# KiCad board keyboard - Hackpadv2.kicad_pcb (continued)
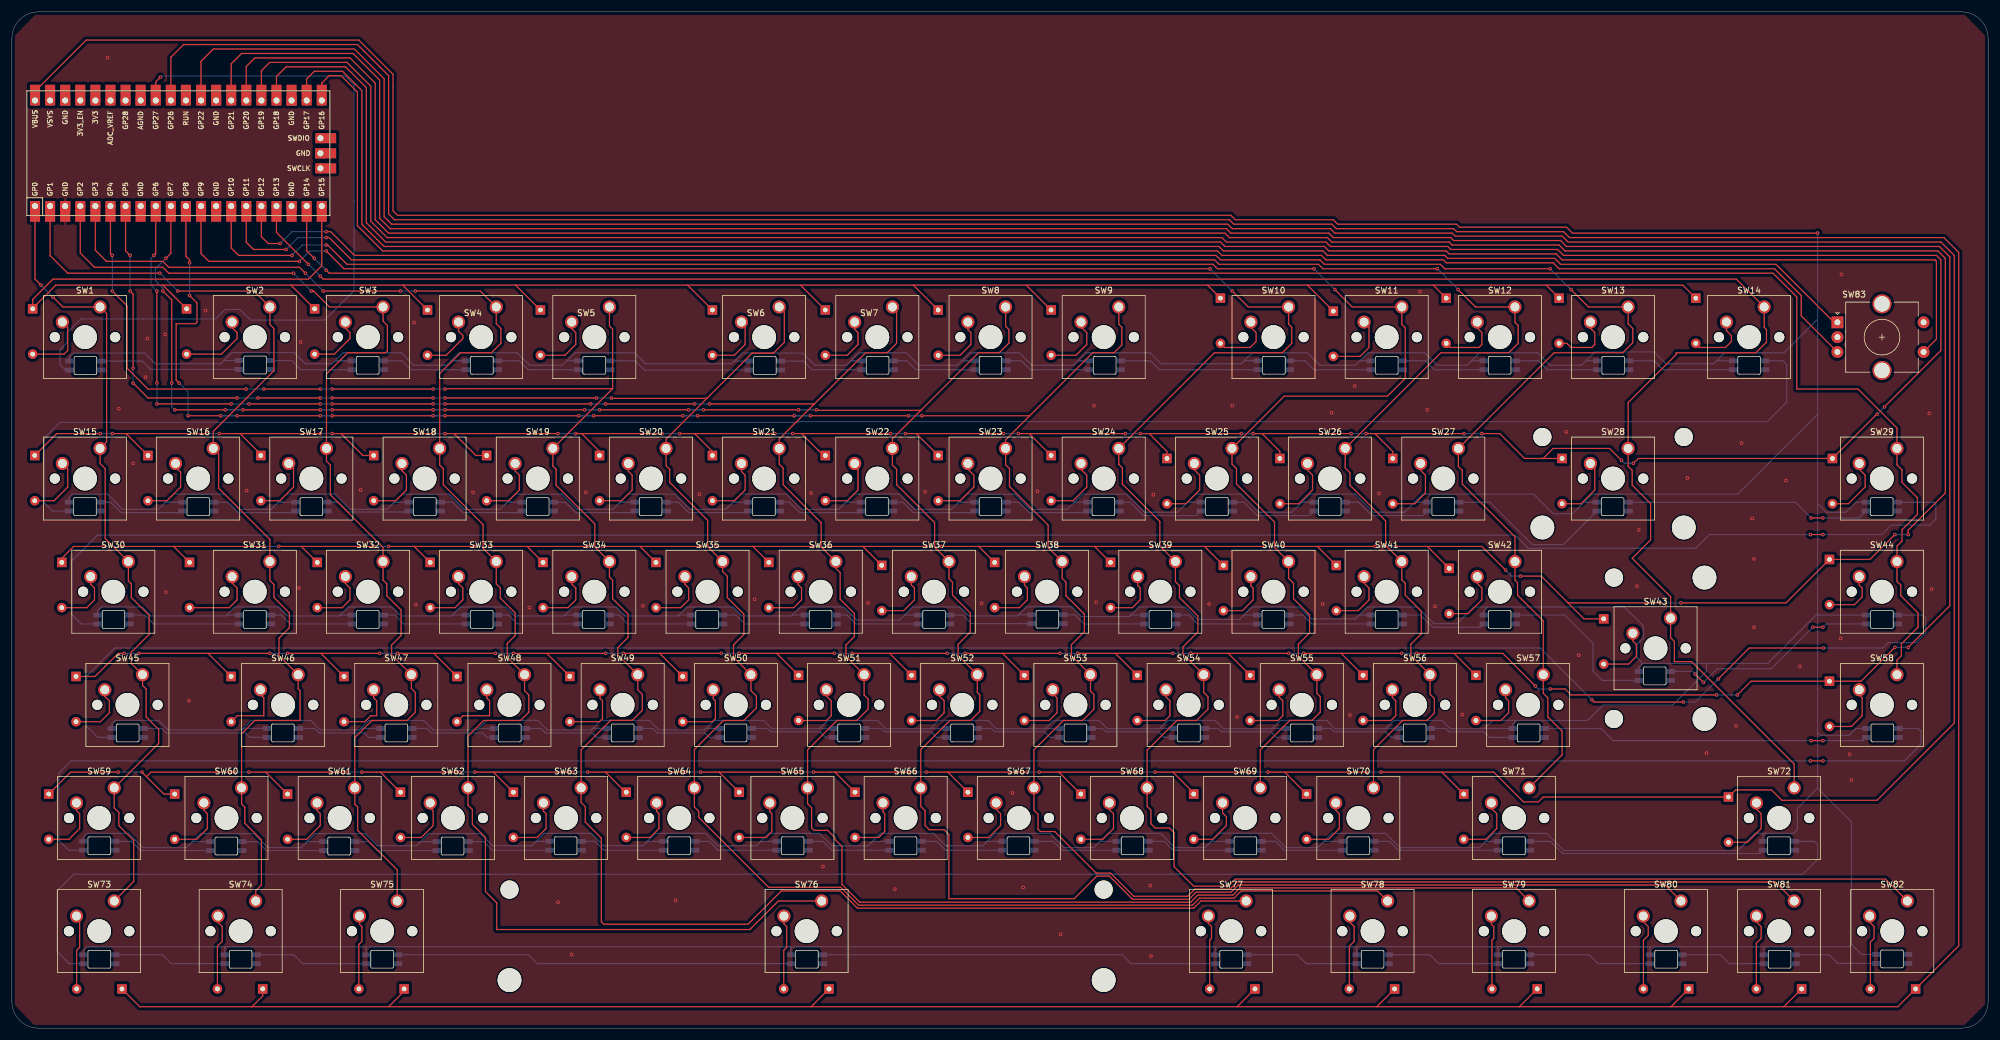
[diagram p0: board, top side]
## Routing (per net, layer and track width the routed paths; a pad name or vN(x,y) marks a point on that pad's centre or on a via; arc(x,y) is an arc through that point) (continued)
ToLEDDataRow1: length 321.6
  Bottom w0.2: D97.4 6.85,87.05 5.5,88.4 5.5,99.4 8.1,102 132.2,102 132.3,102.1 295.4,102.1 298.7,105.4 298.7,111.7 298.05,112.35 D96.2
ToLEDDataRow2: length 341.6
  Top w0.2: v1(304.8,83.1) v1(302.7,83.1)
  Bottom w0.2: v1(304.8,83.1) 314.7,83.1 316.3,84.7 322.8,84.7 323.8,85.7 323.8,88.3 323.55,88.55 D111.2 ; 14.43,68.05 11.65,68.05 10.1,69.6 10.1,78.7 14.4,83 253,83 255.2,80.8 283.4,80.8 285.7,83.1 v1(302.7,83.1)
ToLEDDataRow3: length 341.1
  Top w0.2: v1(281.3,54.9) 266.3,54.9 v1(265.9,55.3) ; v1(287.2,58.8) 292.4,64 v1(304.9,64)
  Bottom w0.2: v1(281.3,54.9) 283.3,54.9 v1(287.2,58.8) ; 16.83,48.95 14.45,48.95 12.5,50.9 12.5,59.2 17.3,64 257.2,64 v1(265.9,55.3) ; v1(304.9,64) 314.9,64 315.8,64.9 320.5,64.9 322.1,66.5 322.1,69.1 321.65,69.55 D126.2
ToLEDDataRow4: length 337.7
  Top w0.2: v1(304.8,45) v1(302.7,45)
  Bottom w0.2: v1(302.7,45) 10,45 7.9,42.9 7.9,31.6 9.55,29.95 D141.4 ; v1(304.8,45) 318.5,45 321.3,47.8 321.3,50 320.85,50.45 D140.2
ToLEDDataRow5: length 320.5
  Bottom w0.2: D154.2 303.35,31.45 303.9,30.9 303.9,28.4 301.4,25.9 10.4,25.9 7.6,23.1 7.6,12.9 9.65,10.85 D155.4
Net-(D1-A): length 11.3
  Top w0.2: D1.2 8.78,113.48 9.4,114.1 9.4,117.97 SW1.2
Net-(D2-A): length 12.7
  Top w0.2: SW2.2 37.07,117.93 37.9,117.1 37.9,116.1 35.28,113.48 D2.2
Net-(D3-A): length 10.1
  Top w0.2: D3.2 54.28,113.48 56.9,116.1 56.9,117.1 56.12,117.88 SW3.2
Net-(D4-A): length 10.2
  Top w0.2: D4.2 73.09,113.29 75.9,116.1 75.9,116.6 75.17,117.33 SW4.2
Net-(D5-A): length 10.8
  Top w0.2: D5.2 93.09,113.29 94.9,115.1 94.9,117.1 94.22,117.78 SW5.2
Net-(D6-A): length 10.3
  Top w0.2: SW6.2 123.4,118.27 123.4,115.1 121.59,113.29 D6.2
Net-(D7-A): length 10.3
  Top w0.2: SW7.2 141.85,117.65 142.4,117.1 142.4,115.1 140.59,113.29 D7.2
Net-(D8-A): length 10.2
  Top w0.2: D8.2 159.59,113.29 161.4,115.1 161.4,117.1 160.9,117.6 SW8.2
Net-(D9-A): length 10.9
  Top w0.2: D9.2 179.09,113.29 180.9,115.1 180.9,117.1 179.95,118.05 SW9.2
Net-(D10-A): length 10.3
  Top w0.2: D10.2 204.09,114.6 208.4,114.6 209.4,115.6 209.4,117.1 208.52,117.98 SW10.2
Net-(D11-A): length 11.2
  Top w0.2: SW11.2 228.4,118.05 228.4,114.6 226.9,113.1 D11.2
Net-(D12-A): length 10.6
  Top w0.2: D12.2 242.09,114.6 246.9,114.6 247.4,115.1 247.4,117.1 246.62,117.88 SW12.2
Net-(D13-A): length 10.6
  Top w0.2: D13.2 261.71,115.29 262.4,114.6 265.9,114.6 266.4,115.1 266.4,117.1 265.67,117.83 SW13.2
Net-(D14-A): length 10.3
  Top w0.2: SW14.2 288.56,117.44 289.4,116.6 289.4,115.6 288.4,114.6 284.09,114.6 D14.2
Net-(D15-A): length 10.8
  Top w0.2: SW15.2 9.4,94.16 9.4,91.1 7.09,88.79 D15.2
Net-(D16-A): length 10.8
  Top w0.2: D16.2 26.09,88.79 28.4,91.1 28.4,93.6 27.55,94.45 SW16.2
Net-(D17-A): length 10.8
  Top w0.2: D17.2 45.09,88.79 47.4,91.1 47.4,94.26 SW17.2
Net-(D18-A): length 11
  Top w0.2: SW18.2 65.65,93.85 66.4,93.1 66.4,90.6 64.59,88.79 D18.2
Net-(D19-A): length 11
  Top w0.2: D19.2 83.59,88.79 85.4,90.6 85.4,93.1 84.7,93.8 SW19.2
Net-(D20-A): length 11
  Top w0.2: D20.2 102.59,88.79 104.4,90.6 104.4,93.1 103.75,93.75 SW20.2
Net-(D21-A): length 11
  Top w0.2: SW21.2 122.8,93.7 123.4,93.1 123.4,90.6 121.59,88.79 D21.2
Net-(D22-A): length 10.9
  Top w0.2: D22.2 140.59,88.79 142.4,90.6 142.4,94.51 SW22.2
Net-(D23-A): length 11.3
  Top w0.2: SW23.2 160.9,94.1 161.9,93.1 161.9,91.1 159.59,88.79 D23.2
Net-(D24-A): length 11.3
  Top w0.2: SW24.2 179.95,94.05 180.9,93.1 180.9,91.1 178.59,88.79 D24.2
Net-(D25-A): length 11.3
  Top w0.2: SW25.2 199,94 199.9,93.1 199.9,90.6 197.59,88.29 D25.2
Net-(D26-A): length 11.3
  Top w0.2: SW26.2 218.05,93.95 218.9,93.1 218.9,90.6 216.59,88.29 D26.2
Net-(D27-A): length 11.5
  Top w0.2: D27.2 236.09,88.29 237.9,90.1 237.9,93.1 237.1,93.9 SW27.2
Net-(D28-A): length 11.2
  Top w0.2: SW28.2 266.4,94.34 266.4,90.6 264.09,88.29 D28.2
Net-(D29-A): length 11
  Top w0.2: D29.2 309.09,88.29 311.9,91.1 311.9,93.1 310.91,94.09 SW29.2
Net-(D30-A): length 10.2
  Top w0.2: D30.2 12.59,70.79 13.9,72.1 13.9,74.1 13.26,74.74 SW30.2
Net-(D31-A): length 12.8
  Top w0.2: D31.2 36.59,70.79 37.9,72.1 37.9,74.1 37.07,74.93 SW31.2
Net-(D32-A): length 10.3
  Top w0.2: SW32.2 56.12,74.88 56.9,74.1 56.9,72.1 55.59,70.79 D32.2
Net-(D33-A): length 10.3
  Top w0.2: SW33.2 75.17,74.83 75.9,74.1 75.9,72.1 74.59,70.79 D33.2
Net-(D34-A): length 10.2
  Top w0.2: SW34.2 94.22,74.78 94.9,74.1 94.9,72.1 93.59,70.79 D34.2
Net-(D35-A): length 10.2
  Top w0.2: D35.2 112.59,70.79 113.9,72.1 113.9,74.1 113.27,74.73 SW35.2
Net-(D36-A): length 10.2
  Top w0.2: D36.2 131.59,70.79 132.9,72.1 132.9,74.1 132.32,74.68 SW36.2
Net-(D37-A): length 10.4
  Top w0.2: D37.2 150.09,70.29 151.9,72.1 151.9,74.1 151.37,74.63 SW37.2
Net-(D38-A): length 10.2
  Top w0.2: SW38.2 170.42,74.58 170.9,74.1 170.9,72.1 169.59,70.79 D38.2
Net-(D39-A): length 9.6
  Top w0.2: SW39.2 189.47,74.53 189.9,74.1 189.9,72.1 188.59,70.79 D39.2
Net-(D40-A): length 9.8
  Top w0.2: SW40.2 208.52,74.48 208.9,74.1 208.9,72.1 207.09,70.29 D40.2
Net-(D41-A): length 10.5
  Top w0.2: D41.2 226.59,70.29 228.4,72.1 228.4,74.1 227.57,74.93 SW41.2
Net-(D42-A): length 10.7
  Top w0.2: SW42.2 246.62,74.88 247.4,74.1 247.4,72.1 245.09,69.79 D42.2
Net-(D43-A): length 10.2
  Top w0.2: D43.2 272.09,61.29 273.4,62.6 273.4,64.6 272.81,65.19 SW43.2
Net-(D44-A): length 9.7
  Top w0.2: D44.2 310.09,71.29 311.4,72.6 311.4,74.1 310.91,74.59 SW44.2
Net-(D45-A): length 10.4
  Top w0.2: SW45.2 15.64,55.86 16.4,55.1 16.4,53.1 14.89,51.59 D45.2
Net-(D46-A): length 10.5
  Top w0.2: SW46.2 41.83,56.17 42.4,55.6 42.4,52.6 37.91,52.6 D46.2
Net-(D47-A): length 10.5
  Top w0.2: D47.2 59.39,51.59 60.4,52.6 61.4,52.6 61.4,55.1 60.88,55.62 SW47.2
Net-(D48-A): length 10.5
  Top w0.2: D48.2 75.91,52.6 80.4,52.6 80.4,55.1 79.93,55.57 SW48.2
Net-(D49-A): length 10.7
  Top w0.2: D49.2 98.9,51.6 99.4,52.1 99.4,55.1 98.98,55.52 SW49.2
Net-(D50-A): length 10.7
  Top w0.2: D50.2 117.89,51.59 118.4,52.1 118.4,55.1 118.03,55.47 SW50.2
Net-(D51-A): length 10.5
  Top w0.2: D51.2 137.09,51.79 137.9,52.6 137.9,55.1 137.08,55.92 SW51.2
Net-(D52-A): length 10.2
  Top w0.2: SW52.2 156.13,55.87 156.9,55.1 156.9,53.1 155.59,51.79 D52.2
Net-(D53-A): length 10.2
  Top w0.2: SW53.2 175.18,56.32 175.9,55.6 175.9,53.1 174.59,51.79 D53.2
Net-(D54-A): length 10.5
  Top w0.2: SW54.2 194.23,55.77 194.9,55.1 194.9,52.6 194.09,51.79 D54.2
Net-(D55-A): length 10.5
  Top w0.2: D55.2 213.09,51.79 213.9,52.6 213.9,55.1 213.28,55.72 SW55.2
Net-(D56-A): length 10.4
  Top w0.2: D56.2 232.09,51.79 232.9,52.6 232.9,55.1 232.33,55.67 SW56.2
Net-(D57-A): length 10.1
  Top w0.2: SW57.2 251.38,55.62 251.9,55.1 251.9,53.1 250.59,51.79 D57.2
Net-(D58-A): length 10.8
  Top w0.2: D58.2 309.59,50.79 311.4,52.6 311.4,55.6 310.91,56.09 SW58.2
Net-(D59-A): length 10.5
  Top w0.2: D59.2 9.59,31.79 11.4,33.6 11.4,36.1 10.88,36.62 SW59.2
Net-(D60-A): length 10.8
  Top w0.2: SW60.2 32.31,36.69 32.9,36.1 32.9,33.6 31.09,31.79 D60.2
Net-(D61-A): length 10.5
  Top w0.2: SW61.2 51.36,36.64 51.9,36.1 51.9,34.1 49.59,31.79 D61.2
Net-(D62-A): length 10.3
  Top w0.2: SW62.2 70.41,37.09 70.9,36.6 70.9,34.1 68.9,32.1 D62.2
Net-(D63-A): length 10.6
  Top w0.2: D63.2 88.4,32.1 89.9,33.6 89.9,36.1 89.46,36.54 SW63.2
Net-(D64-A): length 10.6
  Top w0.2: SW64.2 108.51,36.49 108.9,36.1 108.9,33.6 107.4,32.1 D64.2
Net-(D65-A): length 10.9
  Top w0.2: D65.2 126.9,32.1 127.9,33.1 127.9,36.1 127.56,36.44 SW65.2
Net-(D66-A): length 10.4
  Top w0.2: D66.2 145.9,32.1 146.9,33.1 146.9,36.1 146.61,36.39 SW66.2
Net-(D67-A): length 10.5
  Top w0.2: D67.2 164.4,32.1 166.4,34.1 166.4,36.1 165.66,36.84 SW67.2
Net-(D68-A): length 10.9
  Top w0.2: D68.2 183.59,31.79 185.4,33.6 185.4,36.1 184.71,36.79 SW68.2
Net-(D69-A): length 10.5
  Top w0.2: D69.2 202.09,31.79 204.4,34.1 204.4,35.6 203.76,36.24 SW69.2
Net-(D70-A): length 10.8
  Top w0.2: SW70.2 222.81,36.69 223.4,36.1 223.4,33.6 221.59,31.79 D70.2
Net-(D71-A): length 11
  Top w0.2: SW71.2 249,37 249.9,36.1 249.9,33.6 248.09,31.79 D71.2
Net-(D72-A): length 11.1
  Top w0.2: SW72.2 293.61,36.89 294.4,36.1 294.4,33.6 292.09,31.29 D72.2
Net-(D73-A): length 12.7
  Top w0.2: D73.2 10.9,13.1 11.4,13.6 11.4,18.34 SW73.2
Net-(D74-A): length 12.9
  Top w0.2: SW74.2 34.69,17.81 35.4,17.1 35.4,14.6 34.59,13.79 D74.2
Net-(D75-A): length 12.6
  Top w0.2: D75.2 58.4,14.1 58.9,14.6 58.9,17.1 58.5,17.5 SW75.2
Net-(D76-A): length 12.7
  Top w0.2: SW76.2 129.94,17.56 130.4,17.1 130.4,13.6 129.9,13.1 D76.2
Net-(D77-A): length 12.6
  Top w0.2: SW77.2 201.38,17.62 201.9,17.1 201.9,15.1 201.59,14.79 D77.2
Net-(D78-A): length 12.9
  Top w0.2: SW78.2 225.19,17.81 225.9,17.1 225.9,14.6 225.09,13.79 D78.2
Net-(D79-A): length 12.6
  Top w0.2: SW79.2 249,17.5 249.4,17.1 249.4,15.1 249.09,14.79 D79.2
Net-(D80-A): length 12.9
  Top w0.2: D80.2 274.59,14.79 275.4,15.6 275.4,17.1 274.56,17.94 SW80.2
Net-(D81-A): length 12.9
  Top w0.2: SW81.2 293.61,17.89 294.4,17.1 294.4,15.1 293.59,14.29 D81.2
Net-(D82-A): length 12.8
  Top w0.2: D82.2 312.78,14.48 313.4,15.1 313.4,17.1 312.66,17.84 SW82.2
Net-(D83-DOUT): length 23.8
  Bottom w0.2: D83.2 21.95,112.3 23.35,110.9 D84.4
Net-(D84-DOUT): length 14.3
  Bottom w0.2: D84.2 47.1,112.4 48.65,110.85 D85.4
Net-(D85-DOUT): length 14.5
  Bottom w0.2: D85.2 65.65,112.35 67.15,110.85 76.43,110.85
Net-(D86-DOUT): length 14.2
  Bottom w0.2: D86.2 85.4,112.35 86.9,110.85 D87.4
Net-(D87-DOUT): length 24
  Bottom w0.2: D87.2 104.9,112.35 106.45,110.8 D88.4
Net-(D88-DOUT): length 14.2
  Bottom w0.2: D89.4 134.65,110.85 133.2,112.3 D88.2
Net-(D89-DOUT): length 14.3
  Bottom w0.2: D89.2 150.65,112.35 152.15,110.85 D90.4
Net-(D90-DOUT): length 14.5
  Bottom w0.2: D91.4 171.4,110.85 169.9,112.35 D90.2
Net-(D91-DOUT): length 23.7
  Bottom w0.2: D91.2 191.65,112.35 193.15,110.85 D92.4
Net-(D92-DOUT): length 14.3
  Bottom w0.2: D93.4 219.15,110.85 217.65,112.35 D92.2
Net-(D93-DOUT): length 14.3
  Bottom w0.2: D94.4 239.4,110.85 237.9,112.35 D93.2
Net-(D94-DOUT): length 14.4
  Bottom w0.2: D95.4 258.4,110.85 256.9,112.35 D94.2
Net-(D95-DOUT): length 18.1
  Bottom w0.2: D95.2 276.4,112.35 277.9,110.85 D96.4
Net-(D97-DOUT): length 14.6
  Bottom w0.2: D98.4 28.45,86.8 18.4,86.8 16.65,88.55 14.98,88.55
Net-(D98-DOUT): length 14.5
  Bottom w0.2: D99.4 47.48,86.8 38.1,86.8 36.35,88.55 D98.2
Net-(D100-DIN): length 14.5
  Bottom w0.2: D99.2 54.95,88.55 56.6,86.9 66.68,86.9 D100.4
Net-(D100-DOUT): length 14.5
  Bottom w0.2: D101.4 85.58,86.8 75.9,86.8 74.15,88.55 72.18,88.55
Net-(D101-DOUT): length 14.5
  Bottom w0.2: D101.2 93.15,88.55 94.9,86.8 104.58,86.8 D102.4
Net-(D102-DOUT): length 14.6
  Bottom w0.2: D103.4 123.65,86.8 113.9,86.8 112.15,88.55 D102.2
Net-(D103-DOUT): length 14.5
  Bottom w0.2: D103.2 130.85,88.55 132.6,86.8 142.68,86.8 D104.4
Net-(D104-DOUT): length 14.6
  Bottom w0.2: D105.4 161.78,86.8 151.7,86.8 149.95,88.55 D104.2
Net-(D105-DOUT): length 14.5
  Bottom w0.2: D105.2 169.45,88.55 171.2,86.8 180.78,86.8 D106.4
Net-(D106-DOUT): length 15
  Bottom w0.2: 200.12,87.05 199.38,86.3 190.4,86.3 188.15,88.55 D106.2
Net-(D107-DOUT): length 14.9
  Bottom w0.2: D107.2 207.35,88.55 209.6,86.3 218.38,86.3 D108.4
Net-(D108-DOUT): length 15
  Bottom w0.2: D108.2 226.65,88.55 228.9,86.3 237.47,86.3 D109.4
Net-(D109-DOUT): length 28.5
  Bottom w0.2: D109.2 248.75,88.55 255.9,81.4 261.08,81.4 D110.4
Net-(D110-DOUT): length 41.5
  Top w0.2: v1(302.8,85.9) v1(304.8,85.9)
  Bottom w0.2: D111.4 310.88,85.9 v1(304.8,85.9) ; v1(302.8,85.9) 300.15,88.55 D110.2
Net-(D112-DOUT): length 19.1
  Bottom w0.2: D112.2 22.35,69.55 23.85,68.05 D113.4
Net-(D113-DOUT): length 14.3
  Bottom w0.2: D114.4 46.85,68.05 45.35,69.55 D113.2
Net-(D114-DOUT): length 14.4
  Bottom w0.2: D114.2 64.45,69.55 65.95,68.05 D115.4
Net-(D115-DOUT): length 14.1
  Bottom w0.2: D116.4 85.05,68.05 83.55,69.55 D115.2
Net-(D116-DOUT): length 14.4
  Bottom w0.2: 114.33,68.05 103.65,68.05 102.15,69.55 D116.2
Net-(D117-DOUT): length 14.4
  Bottom w0.2: D117.2 121.85,69.55 123.35,68.05 133.43,68.05
Net-(D118-DOUT): length 14.4
  Bottom w0.2: D119.4 142.05,68.05 140.55,69.55 D118.2
Net-(D119-DOUT): length 14.3
  Bottom w0.2: D120.4 161.5,68.1 160.05,69.55 D119.2
Net-(D120-DOUT): length 14.3
  Bottom w0.2: D120.2 178.9,69.6 180.45,68.05 190.62,68.05
Net-(D121-DOUT): length 14.3
  Bottom w0.2: D121.2 198.05,69.55 199.55,68.05 D122.4
Net-(D122-DOUT): length 14.4
  Bottom w0.2: D123.4 218.75,68.05 217.25,69.55 D122.2
Net-(D123-DOUT): length 14.7
  Bottom w0.2: D123.2 237.05,69.55 239.1,67.5 247.18,67.5 D124.4
Net-(D124-DOUT): length 28.1
  Bottom w0.2: D125.4 267.65,58.55 266.1,60.1 266.1,64.8 261.35,69.55 D124.2
Net-(D125-DOUT): length 37.7
  Top w0.2: v1(283.3,59.6) v1(284.7,58.2) ; v1(303.1,67.5) v1(304.8,67.5)
  Bottom w0.2: v1(284.7,58.2) 287,60.5 296.1,60.5 v1(303.1,67.5) ; v1(304.8,67.5) 305.35,68.05 D126.4 ; D125.2 282.85,60.05 v1(283.3,59.6)
Net-(D127-DOUT): length 21.4
  Bottom w0.2: D128.4 40.05,48.95 39.3,49.7 26,49.7 25.25,50.45 D127.2
Net-(D128-DOUT): length 14.4
  Bottom w0.2: D129.4 60.05,48.95 59.3,49.7 51.7,49.7 50.95,50.45 D128.2
Net-(D129-DOUT): length 14.4
  Bottom w0.2: D129.2 69.85,50.45 70.6,49.7 79.2,49.7 79.95,48.95 81.12,48.95
Net-(D130-DOUT): length 14.3
  Bottom w0.2: D130.2 89.05,50.45 89.8,49.7 97.7,49.7 98.45,48.95 D131.4
Net-(D131-DOUT): length 14.3
  Bottom w0.2: D131.2 107.85,50.45 108.6,49.7 116.6,49.7 117.35,48.95 D132.4
Net-(D132-DOUT): length 14.4
  Bottom w0.2: D133.4 136.95,48.95 136,49.9 127.7,49.9 127.15,50.45 124.48,50.45
Net-(D133-DOUT): length 14.3
  Bottom w0.2: D133.2 146.35,50.45 146.9,49.9 154.7,49.9 155.65,48.95 D134.4
Net-(D134-DOUT): length 14.4
  Bottom w0.2: D135.4 174.75,48.95 173.8,49.9 165.4,49.9 164.85,50.45 D134.2
Net-(D135-DOUT): length 14.4
  Bottom w0.2: D136.4 193.95,48.95 193,49.9 184.1,49.9 183.55,50.45 181.68,50.45
Net-(D136-DOUT): length 14.3
  Bottom w0.2: D137.4 212.85,48.95 211.9,49.9 203.6,49.9 203.05,50.45 D136.2
Net-(D137-DOUT): length 14.3
  Bottom w0.2: D137.2 221.95,50.45 222.5,49.9 231.2,49.9 232.15,48.95 D138.4
Net-(D138-DOUT): length 14.4
  Bottom w0.2: D139.4 248.65,48.95 247.7,49.9 241.9,49.9 241.35,50.45 D138.2
Net-(D139-DOUT): length 55.3
  Top w0.2: v1(302.8,48.4) v1(304.8,48.4)
  Bottom w0.2: v1(302.8,48.4) 269.5,48.4 267.45,50.45 D139.2 ; v1(304.8,48.4) 311.58,48.4 D140.4
Net-(D141-DOUT): length 16.7
  Bottom w0.2: D142.4 21.7,29.9 20.15,31.45 17.38,31.45
Net-(D142-DOUT): length 14.3
  Bottom w0.2: D143.4 42.8,29.9 41.3,31.4 D142.2
Net-(D143-DOUT): length 14.4
  Bottom w0.2: D144.4 61.5,29.9 60,31.4 D143.2
Net-(D144-DOUT): length 14.3
  Bottom w0.2: D145.4 80.85,29.95 79.4,31.4 D144.2
Net-(D145-DOUT): length 14.4
  Bottom w0.2: D146.4 99.65,29.95 98.15,31.45 D145.2
Net-(D146-DOUT): length 14.4
  Bottom w0.2: D147.4 118.85,29.95 117.35,31.45 114.98,31.45
Net-(D147-DOUT): length 14.3
  Bottom w0.2: D147.2 136.45,31.45 137.95,29.95 D148.4
Net-(D148-DOUT): length 14.3
  Bottom w0.2: D148.2 155.65,31.45 157.15,29.95 D149.4
Net-(D149-DOUT): length 14.5
  Bottom w0.2: D149.2 175.25,31.45 176.75,29.95 D150.4
Net-(D150-DOUT): length 14.3
  Bottom w0.2: D150.2 193.95,31.45 195.45,29.95 D151.4
Net-(D151-DOUT): length 14.3
  Bottom w0.2: D151.2 212.65,31.45 214.15,29.95 D152.4
Net-(D152-DOUT): length 21.5
  Bottom w0.2: D153.4 233.35,29.95 231.85,31.45 D152.2
Net-(D153-DOUT): length 40.3
  Bottom w0.2: D154.4 294.18,29.4 261,29.4 258.95,31.45 D153.2
Net-(D155-DOUT): length 19.1
  Bottom w0.2: 17.38,12.35 25.35,12.35 26.85,10.85 35.83,10.85
Net-(D156-DOUT): length 19.1
  Bottom w0.2: D156.2 47.45,12.35 48.95,10.85 59.63,10.85
Net-(D157-DOUT): length 66.8
  Bottom w0.2: D157.2 86.95,12.35 88.45,10.85 D158.4
Net-(D158-DOUT): length 66.7
  Bottom w0.2: D159.4 188.35,10.85 186.85,12.35 136.48,12.35
Net-(D159-DOUT): length 19.1
  Bottom w0.2: D160.4 217.85,10.85 216.35,12.35 D159.2
Net-(D160-DOUT): length 19.1
  Bottom w0.2: D161.4 240.15,10.85 238.65,12.35 D160.2
Net-(D161-DOUT): length 20.9
  Bottom w0.2: D161.2 265.45,12.35 266.95,10.85 D162.4
Net-(D162-DOUT): length 14.4
  Bottom w0.2: D162.2 287.55,12.35 289.05,10.85 D163.4
Net-(D163-DOUT): length 14.2
  Bottom w0.2: D164.4 307.3,10.9 305.85,12.35 D163.2

## Copper pours and planes (outline as drawn; the poured copper is in the pictures)
GND on Top, Bottom: 4.2,0 0,4.4 0,166.6 4.4,171.1 328.2,171.1 332.6,166.6 332.6,4.5 328.1,0
